# Altium PCB fastcar.PcbDoc (part 4 of 6)
Units mm, origin at the board's own origin, x right, y up, seen from the top; angles counter-clockwise.
Board outline 341.4 x 93 mm, 6 copper layers (Component Side, Signal 1, Signal 2, GND, POWER, Solder Side); 271 components, 375 nets, 1876 pads, 1375 vias.
Unrouted connection lines stored in the file: 4.
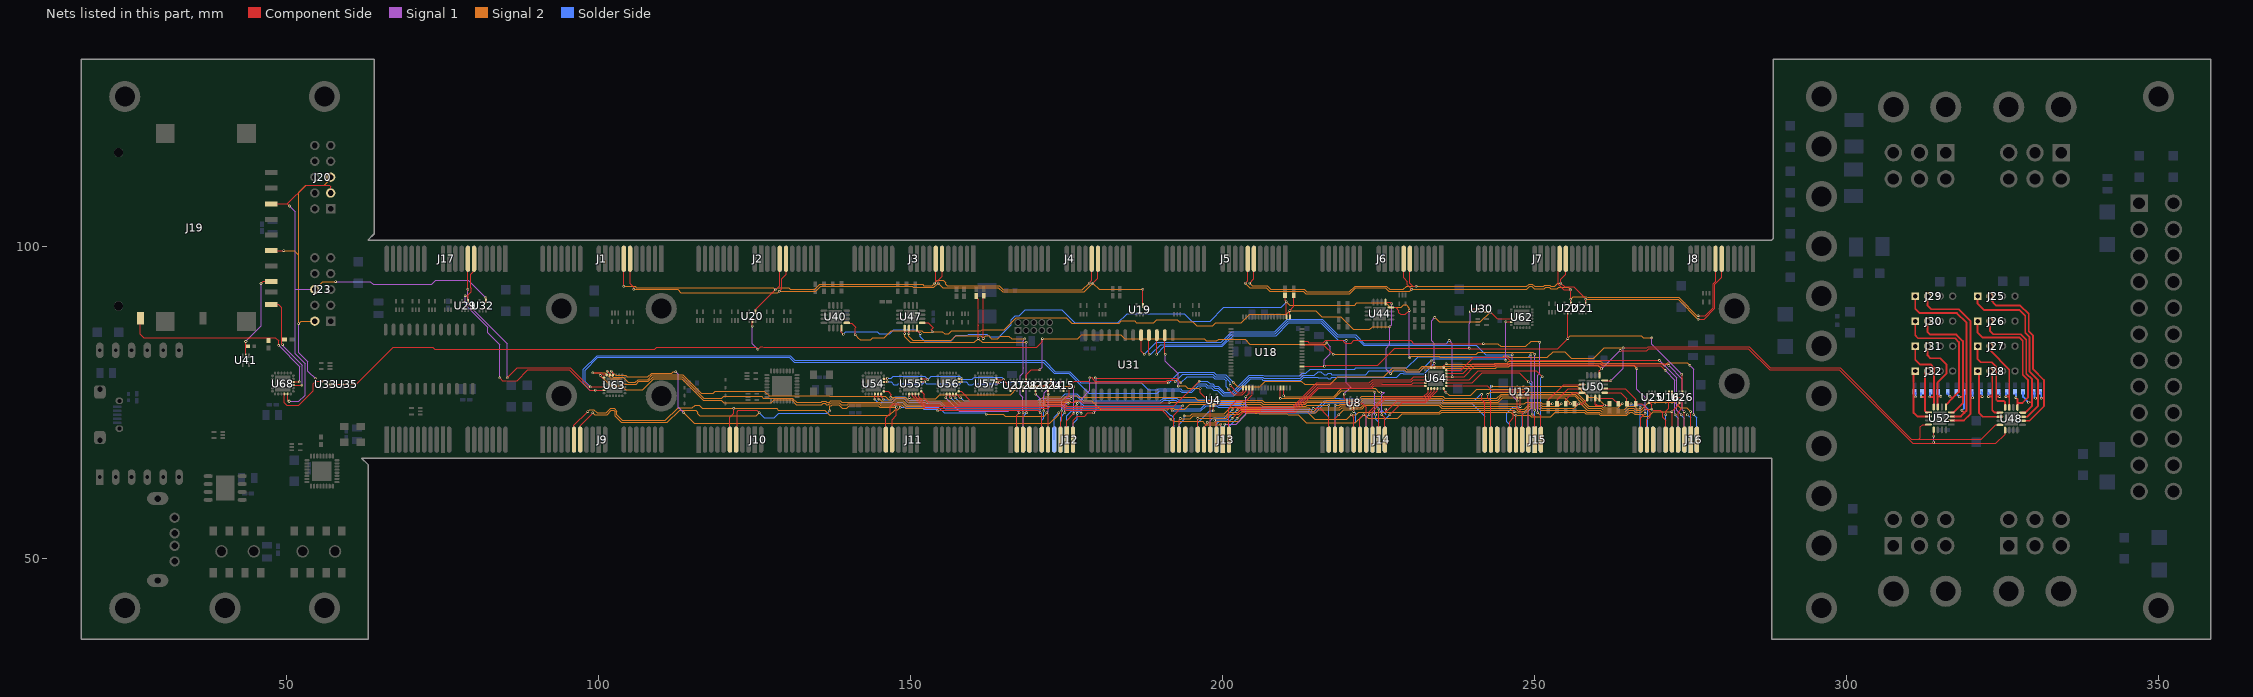
[diagram p8: the nets of this part, all layers, seen from the top]

## Via types
v1: diameter 0.4, hole 0.2, Component Side to Solder Side, 984 vias
v2: diameter 0.6, hole 0.3, Component Side to Solder Side, 212 vias
v3: diameter 0.5, hole 0.2, Component Side to Solder Side, 152 vias
v4: diameter 1, hole 0.5, Component Side to Solder Side, 27 vias

## Nets (pads, with @x,y where several pads share a name; then routed paths per layer and width w, separated by ;. In a path a pad name is that pad's centre, name@x,y a point inside that pad or via, vN(x,y) a via of type N, cw(c..) or ccw(c..) an arc to the next point about the centre after c; other vN are vias at no path point) (continued)
S12GPIO2: J12.B8 U63.4 | length 85.2
  Component Side w0.15: v1(102,80) 102.25,79.75 U63.4@102.25,79.375
  Signal 1 w0.15: v1(112.3,79.9) 112.725,79.475 112.725,74.175 v1(113.6,73.3)
  Signal 2 w0.15: v1(102,80) 102.675,79.325 104.274,79.325 104.524,79.075 107.849,79.075 108.449,79.675 111.675,79.675 111.9,79.9 v1@112.3,79.9 ; v1(113.6,73.3) 115.3,71.6 172.3,71.6 173.7,73 v1(173.7,73.3)
  Solder Side w0.15: J12.B8@173,69 173,72.6 v1(173.7,73.3)
S12GPIO3: J12.A9 U63.5 | length 87
  Component Side w0.15: v1(101.3,80) 101.75,79.55 U63.5@101.75,79.375 ; J12.A9@174,69 174,71.9 174.2,72.1 v1(174.2,73.6)
  Signal 1 w0.15: v1(174.2,73.6) 174.2,75.2 174.6,75.6 ; 174.6,75.6 v1(175.7,75.6)
  Signal 2 w0.15: v1(101.3,80) 101.3,79.996 102.271,79.025 103.874,79.025 104.724,78.175 105.85,78.175 106.3,78.625 107.823,78.625 108.573,79.375 113.475,79.375 116.435,76.415 118.315,76.415 118.675,76.775 126.525,76.775 127.3,76 136.955,76 137.03,75.925 138.799,75.925 140.552,75.925 145.877,75.925 146.427,75.375 146.976,75.375 147.126,75.525 148.95,75.525 149.55,74.925 170.751,74.925 171.401,75.575 175.675,75.575 v1(175.7,75.6)
S12GPIO4: J12.B9 U63.6 | length 89.4
  Component Side w0.15: v1(99,79.7) 99.025,79.725 100.376,79.725 100.726,79.375 U63.6@101.25,79.375
  Signal 1 w0.15: v1(174.7,73.3) 174.7,74.6 174.9,74.8 v1(175.2,74.8)
  Signal 2 w0.15: v1(99,79.7) 99.025,79.725 100.974,79.725 101.974,78.725 103.247,78.725 104.097,77.875 105.974,77.875 106.424,78.325 107.947,78.325 108.697,79.075 113.35,79.075 116.825,75.6 119.7,75.6 120.025,75.925 126.076,75.925 126.327,75.674 131.025,75.674 131.724,74.975 135.65,74.975 135.799,75.125 136.4,75.125 136.55,74.975 136.726,74.975 136.775,75.024 136.982,75.024 137.183,75.225 138.674,75.225 138.924,74.975 139.802,74.975 139.852,75.025 145.049,75.025 145.299,74.775 147.224,74.775 147.375,74.925 148.701,74.925 149.301,74.325 171,74.325 171.65,74.975 175.025,74.975 v1(175.2,74.8)
  Solder Side w0.15: J12.B9@174,69 174,72.6 v1(174.7,73.3)
S12GPIO5: J12.A10 U55.3 | length 37
  Component Side w0.15: v1(149.75,75.75) U55.3@149.75,76.325 ; J12.A10@175,69 175,72.05 v1(176.15,73.199)
  Signal 1 w0.15: v1(176.15,73.199) v1(176.15,77.5)
  Signal 2 w0.15: v1(149.75,75.75) 149.975,75.525 154,75.525 154.675,76.2 166,76.2 167.1,77.3 167.698,77.3 167.824,77.175 168.176,77.175 168.552,77.551 176.099,77.551 v1(176.15,77.5)
S12GPIO6: J12.B10 U18.17 | length 40.6
  Component Side w0.15: v1(178.7,78.9) 178.876,78.9 178.976,79 179.175,78.801 179.175,78.724 179.498,78.4 190.999,78.4 191.124,78.525 192.174,78.525 v1(192.4,78.3) ; v1(201.2,77.7) 202.35,76.55 203.026,76.55 203.25,76.774 U18.17@203.25,77.3
  Signal 1 w0.15: v1(177.3,73.2) 177.3,75.5 178.7,76.9 ; 178.7,76.9 v1(178.7,78.9)
  Solder Side w0.15: J12.B10@175,69 175,72.801 175.824,73.625 176.876,73.625 v1(177.3,73.2) ; v1(192.4,78.3) 193.6,79.5 198.425,79.5 198.825,79.1 200.325,79.1 201.2,78.225 v1(201.2,77.7)
S12GPIO7: J12.A11 U18.18 | length 40.1
  Component Side w0.15: J12.A11@176,69 176,72.1 176.675,72.775 176.876,72.775 177.875,72.775 178.4,73.3 v1(179.3,73.3) ; v1(179.6,78.9) 179.624,78.875 192.525,78.875 v1(193.3,78.1) ; v1(200.9,77.1) 201.8,76.2 203.1,76.2 203.75,76.85 U18.18@203.75,77.3
  Signal 1 w0.15: v1(179.3,73.3) 179.71,73.71 179.71,78.789 v1(179.6,78.9)
  Solder Side w0.15: v1(193.3,78.1) 194.3,79.1 198.401,79.1 198.701,78.8 200.2,78.8 200.525,78.476 200.525,77.475 v1(200.9,77.1)
S12GPIO8: J12.B11 U63.7 | length 88.6
  Component Side w0.15: v1(100.2,79.3) 100.55,78.95 U63.7@100.825,78.95
  Signal 1 w0.15: v1(176.7,73.2) v1(176.7,74.8)
  Signal 2 w0.15: v1(100.2,79.3) 101.875,77.625 103.675,77.625 104.325,76.975 107.021,76.975 108.771,78.725 113.276,78.725 116.701,75.3 119.6,75.3 119.975,74.925 125.584,74.925 125.936,74.925 127.651,74.925 128.1,75.374 130.901,75.374 131.649,74.625 135.724,74.625 135.924,74.825 136.276,74.825 136.476,74.625 136.801,74.625 136.899,74.724 137.106,74.724 137.307,74.925 138.55,74.925 138.85,74.625 139.876,74.625 139.976,74.725 144.925,74.725 145.175,74.475 147.349,74.475 147.499,74.625 148.577,74.625 149.177,74.025 171.124,74.025 171.774,74.675 174.575,74.675 174.875,74.375 176.375,74.375 176.7,74.7 v1(176.7,74.8)
  Solder Side w0.15: J12.B11@176,69 176,71.6 176.7,72.3 v1(176.7,73.2)
S12MISO: J12.B6 U15.2 | length 12.7
  Component Side w0.15: U15.2@174.5,77 v1(174.5,78.252)
  Signal 1 w0.15: v1(171.3,73.6) 171.3,75.999 171.425,76.124 171.425,76.525 173.152,78.252 v1(174.5,78.252)
  Solder Side w0.15: J12.B6@171,69 171,72.1 171.3,72.4 v1(171.3,73.6)
S12RXD: J12.A4
S12SCL: J12.A3 R41.2 U47.10 | length 44.9
  Component Side w0.15: U47.10@149.675,86.875 149.7,86.85 v1(149.7,86) ; v1(161.6,85.2) 161.6,86.5 161.6,91.95 R41.2@161.7,92.05 ; J12.A3@168,69 v1(168,73.3)
  Signal 1 w0.15: v1(168,73.3) 167.975,73.325 167.975,75.824 167.575,76.224 167.575,79.276 168.025,79.726 168.025,80.476 168,80.501 168,84.878 v1(168.264,85.142)
  Signal 2 w0.15: v1(149.7,86) 149.7,85.55 150.349,84.9 156.449,84.9 157.173,85.625 161.175,85.625 v1(161.6,85.2) ; v1@161.6,85.201 162.024,85.625 162.476,85.625 162.625,85.476 ; 162.625,85.475 162.9,85.2 163.9,85.2 164.3,85.6 165.7,85.6 166.158,85.142 v1(168.264,85.142)
S12SDA: J12.B3 R40.2 U47.9 | length 44.5
  Component Side w0.15: v1(149,86) 149.025,86.025 U47.9@149.025,86.875 ; R40.2@160.5,92.03 160.5,91.8 160.8,91.5 160.8,87.3 ; v1(160.8,85.2) 160.8,87.298
  Signal 1 w0.15: v1@168.5,84.499 168.5,73.4 v1(168.6,73.3) ; v1@168.5,84.501 v1(168.5,84.6)
  Signal 2 w0.15: v1(149,86) 149,85.5 149.9,84.6 160.2,84.6 v1(160.8,85.2) 161.425,84.575 163.1,84.575 166.026,84.575 168.475,84.575 v1(168.5,84.6)
  Solder Side w0.15: J12.B3@168,69 168,72.699 168.425,73.124 v1@168.425,73.225
S12SIG: J12.A2 U56.3 | length 18.3
  Component Side w0.15: v1(155.6,75.7) 155.75,75.85 ; v1@155.75,75.7 155.75,75.85 ; U56.3@155.75,76.325 155.75,75.85 ; J12.A2@167,69 167,72.9 v1(167.4,73.3)
  Signal 1 w0.15: v1(155.6,75.7) 157.775,73.525 165.624,73.525 165.824,73.725 166.975,73.725 v1(167.4,73.3)
S12TXD: J12.B4
S13ERR: J13.B2 U54.4 | length 54.4
  Component Side w0.15: v1(144.25,75.5) U54.4@144.25,76.325
  Solder Side w0.15: v1(144.25,75.5) 144.725,75.025 147.05,75.025 147.625,75.6 148.875,75.6 149.45,75.025 152.251,75.025 152.476,74.8 154.673,74.8 155.499,73.974 170.796,73.974 171.147,74.325 174.076,74.325 174.426,73.975 177.278,73.975 177.453,73.8 190.7,73.8 191.175,73.325 191.175,73.3 191.6,72.875 191.726,72.875 192.225,72.376 192.225,71.726 192.175,71.676 192.175,71.324 192.225,71.274 192.225,69.225 J13.B2@192,69
S13GPIO1: J13.A8 U4.1 U31.14 | length 21.6
  Component Side w0.15: U31.14@190.715,85.75 190.715,82.785 v1(190.8,82.7) ; v1(192.9,77.6) v1@192.925,77.625 ; v1(196.4,77.2) 196.4,76.5 198,74.9 U4.1@198,74.6 198,73.398 J13.A8@198,69
  Signal 1 w0.15: v1(190.8,82.7) 190.8,81.6 192.875,79.525 192.875,77.924 192.9,77.899 v1(192.9,77.6)
  Signal 2 w0.15: v1(192.9,77.6) 192.925,77.625 193.976,77.625 194.401,77.2 v1(196.4,77.2)
S13GPIO2: J13.B8 U64.15 | length 40.5
  Component Side w0.15: v1(201.5,73.8) 202,74.3 211.249,74.3 215.049,78.1 222.949,78.1 223.524,78.1 224.024,78.6 230.1,78.6 230.62,79.12 U64.15@232.495,79.12
  Solder Side w0.15: J13.B8@198,69 198,72.05 198.475,72.525 198.876,72.525 200.225,72.525 v1(201.5,73.8)
S13GPIO3: J13.A9 U64.16 | length 39.7
  Component Side w0.15: v1(198.7,72.1) 199,71.8 J13.A9@199,69 ; v1(202.3,73.8) 202.5,74 211.373,74 215.173,77.8 223.073,77.8 223.649,77.8 224.149,78.3 230.224,78.3 230.544,78.62 U64.16@232.495,78.62
  Solder Side w0.15: v1(198.7,72.1) 198.825,72.225 200.724,72.225 201.324,72.825 ; 201.325,72.825 v1(202.3,73.8)
S13GPIO4: J13.B9 U64.17 | length 38.7
  Component Side w0.15: v1(201.5,72.4) 202.801,73.7 211.497,73.7 215.297,77.5 223.197,77.5 223.773,77.5 224.198,77.925 225.525,77.925 225.53,77.92 230.32,77.92 230.52,78.12 U64.17@232.495,78.12
  Solder Side w0.15: J13.B9@199,69 199,71.5 199.425,71.925 201.025,71.925 v1(201.5,72.4)
S13GPIO5: J13.A10 U55.4 | length 54.7
  Component Side w0.15: U55.4@150.25,76.325 150.25,76 152.225,74.025 172.075,74.025 172.075,74.076 172.324,74.325 174.226,74.325 174.825,73.725 190.275,73.725 v1(191.7,72.3) ; v1(199.7,71.5) 199.7,71.1 200,70.8 J13.A10@200,69 J13.A10@200.025,69.025
  Signal 2 w0.15: v1(191.7,72.3) 192.075,71.925 196.776,71.925 197.075,71.626 197.075,71.624 197.324,71.375 199.575,71.375 v1(199.7,71.5)
S13GPIO6: J13.B10 U18.19 | length 11.3
  Component Side w0.15: v1(203.7,75.9) 204.25,76.45 U18.19@204.25,77.3
  Signal 1 w0.15: v1(200.3,71.5) 202.158,71.5 203.7,73.042 v1(203.7,75.9)
  Solder Side w0.15: J13.B10@200,69 200,70.8 200.2,71 200.3,70.9 v1(200.3,71.5)
S13GPIO7: J13.A11 U18.20 | length 10.8
  Component Side w0.15: J13.A11@201,69 201,74.024 202.176,75.2 203.75,75.2 204.75,76.2 U18.20@204.75,77.3
S13GPIO8: J13.B11 U64.18 | length 36.3
  Component Side w0.15: v1(202.3,72.4) 203.3,73.4 211.621,73.4 215.421,77.2 223.321,77.2 223.897,77.2 224.322,77.625 225.401,77.625 225.406,77.62 U64.18@232.495,77.62
  Solder Side w0.15: J13.B11@201,69 201,71.1 v1(202.3,72.4)
S13MISO: J13.B6 U4.2 | length 7.2
  Component Side w0.15: v1(198.5,73.6) 198.45,73.55 198.5,73.5 U4.2@198.5,74.6
  Solder Side w0.15: J13.B6@196,69 196,71.7 197.9,73.6 v1(198.5,73.6)
S13RXD: J13.A4
S13SCL: J13.A3 R44.2 U50.3 | length 73.1
  Component Side w0.15: J13.A3@193,69 193,72.2 v1(193.2,72.4) ; v1(254.25,74.75) R44.2@253.6,74.75 253.6,75.4 255.375,77.175 U50.3@257.575,77.175
  Signal 2 w0.15: v1(193.2,72.4) 193.225,72.375 194.799,72.375 195.249,72.825 200.526,72.825 201.076,73.375 202.476,73.375 202.976,73.875 206.026,73.875 206.126,73.775 213.7,73.775 214.2,73.275 214.9,73.275 215.4,73.775 218.796,73.775 219.121,74.1 220.575,74.1 220.7,74.225 222.201,74.225 222.751,74.775 234.774,74.775 235.224,74.325 247.074,74.325 247.524,73.875 248.326,73.875 249.176,74.725 250.849,74.725 251.249,74.325 253.825,74.325 v1(254.25,74.75)
S13SDA: J13.B3 R43.2 U50.2 | length 72.7
  Component Side w0.15: v1(252.85,74.75) R43.2@252.2,74.75 252.2,75.4 254.625,77.825 U50.2@257.575,77.825
  Signal 2 w0.15: v1(193.8,72.8) 194.8,72.8 195.125,73.125 200.224,73.125 201.324,74.225 206.101,74.225 206.251,74.075 213.824,74.075 214.324,73.575 214.676,73.575 215.176,74.075 218.672,74.075 218.997,74.4 220.45,74.4 220.575,74.525 222.076,74.525 222.626,75.075 234.898,75.075 235.248,74.725 248.326,74.725 248.625,75.024 ; 248.625,75.025 250.973,75.025 251.248,74.75 v1(252.85,74.75)
  Solder Side w0.15: J13.B3@193,69 193,71.501 193.8,72.301 v1(193.8,72.8)
S13SIG: J13.A2 U56.4 | length 45.2
  Component Side w0.15: U56.4@156.25,76.325 156.25,75.85 v1(156.4,75.7) ; J13.A2@192,69 192.125,69.125 192.125,72.925 v1(193.6,74.4)
  Solder Side w0.15: v1(156.4,75.7) 157.5,74.6 170.574,74.6 170.949,74.975 174.775,74.975 ; 174.775,74.976 175.024,75.225 175.376,75.225 175.625,74.976 ; 175.625,74.975 176.274,74.975 176.524,75.225 176.876,75.225 177.701,74.4 v1(193.6,74.4)
S13TXD: J13.B4
S14ERR: J14.B2 U54.5 | length 80.7
  Component Side w0.15: U54.5@144.75,76.325 144.75,75.65 v1(144.9,75.5)
  Signal 2 w0.15: v1(144.9,75.5) 144.999,75.5 145.424,75.075 147.1,75.075 147.25,75.225 148.825,75.225 149.425,74.625 170.875,74.625 171.525,75.275 175.326,75.275 175.601,75 176.299,75 176.524,75.225 178.999,75.225 180.449,73.775 191.175,73.775 191.425,74.025 192.076,74.025 192.201,73.9 193.927,73.9 194.727,74.7 206.05,74.7 206.375,74.375 213.37,74.375 213.495,74.5 v1(217,74.5)
  Solder Side w0.15: J14.B2@217,69 v1(217,74.5)
S14GPIO1: J14.A8 U8.1 U31.15 | length 57.1
  Component Side w0.15: v1(189.4,82.7) 189.445,82.745 U31.15@189.445,85.75 ; v1(219.5,76.3) 219.5,75.65 220.5,74.65 ; U8.1@220.5,74.2 220.5,74.65 ; U8.1@220.56,74.18 220.5,74.24 220.5,74.65 ; J14.A8@223,69 223.025,69.025 223.025,74.195 222.35,74.87 220.72,74.87 220.5,74.65
  Signal 1 w0.15: v1(219.5,76.3) 219.5,76.4 220.5,77.4 219.8,78.1 v1(219.8,84.9)
  Solder Side w0.15: v1(189.4,82.7) 190.65,83.95 199.95,83.95 201.675,85.675 208.549,85.675 210.599,87.725 215.676,87.725 218.501,84.9 v1(219.8,84.9)
S14GPIO2: J14.B8 U64.19 | length 16.1
  Component Side w0.15: v1(223.5,73) 223.5,73.5 225.875,75.875 232.175,75.875 232.92,76.62 U64.19@232.92,77.195
  Solder Side w0.15: J14.B8@223,69 223,72.7 223.1,72.7 223.4,73 v1(223.5,73)
S14GPIO3: J14.A9 U64.20 | length 15.7
  Component Side w0.15: J14.A9@224,69 224,73.501 226.074,75.575 232.299,75.575 233.42,76.696 U64.20@233.42,77.195
S14GPIO4: J14.B9 U64.21 | length 17.7
  Component Side w0.15: v1(226.1,73.9) 226.1,73.375 228,75.275 232.451,75.275 233.92,76.744 U64.21@233.92,77.195
  Solder Side w0.15: J14.B9@224,69 224,73 224.075,73.075 224.075,73.176 224.324,73.425 224.774,73.425 224.824,73.375 225.176,73.375 225.425,73.624 225.425,73.625 225.5,73.7 226.1,73.1 ; 226.1,73.101 v1(226.1,73.9)
S14GPIO5: J14.A10 U55.5 | length 83
  Component Side w0.15: U55.5@150.75,76.325 150.75,75.926 152.351,74.325 171.9,74.325 172.199,74.625 174.35,74.625 174.95,74.025 191.475,74.025 v1(191.9,73.6) ; J14.A10@225,69 v1@225,74 ; v1(225,73.9) v1@225,74
  Solder Side w0.15: v1(191.9,73.6) 196.499,73.6 197.374,74.475 199.026,74.475 199.276,74.225 202.653,74.225 203.603,73.275 214.8,73.275 215.225,73.7 215.225,73.725 216.425,74.925 224.075,74.925 225,74 v1(225,73.9)
S14GPIO6: J14.B10 U18.29 | length 25.3
  Component Side w0.15: v1(209.25,75.6) U18.29@209.25,77.3
  Signal 1 w0.15: v1(224.4,76.6) 224.4,73.1 v1(224.5,73)
  Signal 2 w0.15: v1(209.25,75.6) 217.9,75.6 219.1,76.8 224.199,76.8 v1(224.4,76.6)
  Solder Side w0.15: v1(224.5,73) 224.5,72.3 225,71.8 J14.B10@225,69
S14GPIO7: J14.A11 U18.30 | length 26.2
  Component Side w0.15: v1(209.75,76.05) U18.30@209.75,77.3 ; v1(225.5,73) 226,72.5 J14.A11@226,69
  Signal 1 w0.15: v1(225.3,76.6) 225.85,76.6 225.9,76.55 225.525,76.175 225.525,73.025 v1(225.5,73)
  Signal 2 w0.15: v1(209.75,76.05) 209.9,75.9 217.776,75.9 219.076,77.2 224.424,77.2 225.024,76.6 v1(225.3,76.6)
S14GPIO8: J14.B11 U64.22 | length 13.9
  Component Side w0.15: v1(226.8,73) 228.775,74.975 232.575,74.975 234.42,76.82 U64.22@234.42,77.195
  Solder Side w0.15: J14.B11@226,69 226,72.2 v1(226.8,73)
S14MISO: J14.B6 U8.2 | length 5.5
  Component Side w0.15: v1(221,73.5) 221,74.12 U8.2@221.06,74.18
  Solder Side w0.15: J14.B6@221,69 221,71.6 221.3,71.9 221.3,73.2 v1(221,73.5)
S14RXD: J14.A4
S14SCL: J14.A3 R47.2 U50.5 | length 47
  Component Side w0.15: J14.A3@218,69 218,72.4 v1(218.6,73) ; R47.2@256.4,74.75 v1(257.055,74.75) 257.71,74.75 258.425,75.465 U50.5@258.425,75.675
  Signal 2 w0.15: v1(218.6,73) 218.6,73.001 219.024,73.425 219.025,73.425 219.4,73.8 220.699,73.8 220.824,73.925 222.325,73.925 222.875,74.475 234.649,74.475 235.099,74.025 246.95,74.025 247.4,73.575 248.45,73.575 249.3,74.425 250.724,74.425 251.124,74.025 256.33,74.025 v1(257.055,74.75)
S14SDA: J14.B3 R46.2 U50.4 | length 48.9
  Component Side w0.15: v1(255.75,74.75) R46.2@255,74.75 255,75.4 256.125,76.525 U50.4@257.575,76.525
  Signal 2 w0.15: v1(218,74.5) 218.673,74.5 218.873,74.7 220.326,74.7 220.451,74.825 221.952,74.825 222.502,75.375 235.022,75.375 235.372,75.025 244.202,75.025 244.877,75.7 254.8,75.7 v1(255.75,74.75)
  Solder Side w0.15: J14.B3@218,69 v1(218,74.5)
S14SIG: J14.A2 U56.5 | length 67
  Component Side w0.15: U56.5@156.75,76.325 156.75,76.05 v1(157.1,75.7) ; v1(214.5,74) 215.601,74 216.425,73.176 ; 216.425,73.175 217,72.6 J14.A2@217,69
  Solder Side w0.15: v1(157.1,75.7) 157.9,74.9 170.449,74.9 170.849,75.3 174.3,75.3 175.025,76.025 175.653,76.025 176.5,76.025 177.625,74.9 190.1,74.9 190.55,75.35 192.504,75.35 192.779,75.075 199.275,75.075 199.525,74.825 202.901,74.825 203.851,73.875 214.375,73.875 v1(214.5,74)
S14TXD: J14.B4
S15ERR: J15.B2 U54.6 | length 105
  Component Side w0.15: U54.6@145.25,76.325 145.25,75.85 v1(145.6,75.5)
  Solder Side w0.15: v1(145.6,75.5) 145.725,75.375 146.976,75.375 147.501,75.9 148.999,75.9 149.574,75.325 152.375,75.325 152.6,75.1 154.797,75.1 155.623,74.274 170.672,74.274 171.023,74.625 174.2,74.625 174.55,74.275 177.402,74.275 177.577,74.1 193.299,74.1 193.424,73.975 196.449,73.975 197.249,74.775 199.15,74.775 199.4,74.525 202.777,74.525 203.727,73.575 214.676,73.575 214.925,73.824 214.925,73.849 216.301,75.225 224.199,75.225 224.499,74.925 239.8,74.925 242,72.725 J15.B2@242,69
S15GPIO1: J15.A8 U12.1 U31.16 | length 80.9
  Component Side w0.15: U31.16@188.175,85.75 188.175,82.725 v1(188.2,82.7) ; v1(247.2,75.2) v1@247.21,75.21 ; U12.1@247.21,76.01 v1@247.21,75.21 ; J15.A8@248,69 248.075,69.075 248.075,73.225 247.21,74.09 v1@247.21,75.21
  Signal 1 w0.15: v1(246.4,82.6) 246.4,76 v1(247.2,75.2)
  Solder Side w0.15: v1(188.2,82.7) 188.5,82.7 190.05,84.25 199.826,84.25 201.551,85.975 208.424,85.975 210.474,88.025 215.8,88.025 218.325,85.5 221.176,85.5 222.576,84.1 240.626,84.1 242.126,82.6 v1(246.4,82.6)
S15GPIO2: J15.B8 U64.24 | length 23.1
  Component Side w0.15: U64.24@235.42,77.195 235.42,76.965 v1(235.785,76.6)
  Signal 2 w0.15: v1(235.785,76.6) 236.285,76.1 239.724,76.1 240.724,77.1 v1(249,77.1)
  Solder Side w0.15: J15.B8@248,69 248,73 249,74 v1(249,77.1)
S15GPIO3: J15.A9 U64.1 | length 20.9
  Component Side w0.15: U64.1@235.845,77.62 235.85,77.625 242.395,77.625 243.21,76.81 248.253,76.81 249,76.063 J15.A9@249,69
S15GPIO4: J15.B9 U64.2 | length 24.1
  Component Side w0.15: U64.2@235.845,78.12 240,78.12 241.625,79.745 247.555,79.745 v1(249,78.3)
  Solder Side w0.15: J15.B9@249,69 249,73.576 249.425,74.001 249.425,77.875 v1(249,78.3)
S15GPIO5: J15.A10 U55.6 | length 118.4
  Component Side w0.15: U55.6@151.25,76.325 151.25,75.85 152.475,74.625 171.775,74.625 172.075,74.925 174.474,74.925 175.074,74.325 192.125,74.325 v1(196.2,78.4) ; v1(249.6,73.1) 250,72.7 J15.A10@250,69
  Signal 1 w0.15: v1(249.4,82.6) 249.425,82.575 249.425,78.374 249.6,78.199 v1(249.6,73.1)
  Solder Side w0.15: v1(196.2,78.4) 197.5,78.4 197.975,77.925 198.425,77.925 198.75,77.6 199.295,77.6 200.27,76.625 201.525,76.625 204.225,79.325 206.524,79.325 206.625,79.224 212.35,79.224 212.751,79.625 213.325,79.625 214,80.3 220.799,80.3 220.824,80.325 221.125,80.325 221.3,80.5 229.5,80.5 231.305,82.305 234.72,82.305 234.725,82.3 246.099,82.3 246.224,82.175 248.975,82.175 v1(249.4,82.6)
S15GPIO6: J15.B10 U18.43 | length 51.9
  Component Side w0.15: U18.43@212.7,84.25 216.15,84.25 v1(217.7,82.7)
  Signal 1 w0.15: v1(250,82.7) 250.025,82.675 v1(250.025,73.7)
  Signal 2 w0.15: v1(217.7,82.7) 240.6,82.7 240.925,83.025 249.675,83.025 v1(250,82.7)
  Solder Side w0.15: J15.B10@250,69 250.025,69.025 v1(250.025,73.7)
S15GPIO7: J15.A11 U18.44 | length 55.6
  Component Side w0.15: U18.44@212.7,84.75 213.624,84.75 213.824,84.55 216.149,84.55 216.524,84.925 219.274,84.925 219.375,84.824 219.375,84.724 219.624,84.475 220.576,84.475 221.001,84.9 230.1,84.9 230.6,84.4 v1(241.8,84.4) ; v1(250.5,73.3) 251,72.8 J15.A11@251,69
  Signal 1 w0.15: v1(250.5,73.3) 250.5,79.3 250.8,79.6 250.8,84.56 250.84,84.6 v1(250.8,84.6)
  Signal 2 w0.15: v1(241.8,84.4) 244.103,84.4 244.528,83.975 248.599,83.975 249.434,84.81 250.59,84.81 v1(250.8,84.6)
S15GPIO8: J15.B11 U64.3 | length 26.5
  Component Side w0.15: U64.3@235.845,78.62 239.52,78.62 240.945,80.045 250.255,80.045 v1(251.2,79.1)
  Solder Side w0.15: J15.B11@251,69 251,78.9 v1(251.2,79.1)
S15MISO: J15.B6 U12.2 | length 8.8
  Component Side w0.15: v1(247.7,74.3) 247.71,74.31 U12.2@247.71,76.01
  Solder Side w0.15: J15.B6@246,69 246,71.4 245.525,71.875 245.525,73.225 246.175,73.875 ; 246.175,73.876 246.599,74.3 v1(247.7,74.3)
S15RXD: J15.A4
S15SCL: J15.A3 R50.2 U50.8 | length 34.7
  Component Side w0.15: v1(242.5,76.25) 242.5,75.6 243,75.1 J15.A3@243,69 ; U50.8@260.375,75.675 262.475,75.675 R50.2@263.4,74.75 v1(264.05,74.75)
  Signal 2 w0.15: v1(242.5,76.25) 242.55,76.25 242.9,76.6 256.655,76.6 258.08,75.175 258.08,74.944 258.699,74.325 260.765,74.325 261.015,74.075 263.375,74.075 v1(264.05,74.75)
S15SDA: J15.B3 R49.2 U50.7 | length 33.2
  Component Side w0.15: U50.7@259.725,75.675 259.725,74.565 ; v1(261.2,74.5) 260.06,74.5 259.86,74.7 259.725,74.565 ; R49.2@262,74.55 259.74,74.55 259.725,74.565
  Signal 2 w0.15: v1(243.1,77.6) 256.839,77.6 258.639,75.8 259.9,75.8 v1(261.2,74.5)
  Solder Side w0.15: J15.B3@243,69 243,77.7 v1(243.1,77.6)
S15SIG: J15.A2 U56.6 | length 95
  Component Side w0.15: U56.6@157.25,76.325 157.875,75.7 v1(158,75.7) ; v1(241.5,76.25) 241.5,75.4 242,74.9 J15.A2@242,69
  Solder Side w0.15: v1(158,75.7) 158.499,75.2 170.325,75.2 170.725,75.6 174.051,75.6 174.776,76.325 174.901,76.325 175.778,76.325 176.625,76.325 177.75,75.2 189.976,75.2 190.426,75.65 192.628,75.65 192.903,75.375 199.399,75.375 199.649,75.125 203.025,75.125 203.976,74.175 211.578,74.175 213.003,75.6 218.724,75.6 218.761,75.563 225.112,75.563 225.375,75.3 240.4,75.3 241.35,76.25 v1(241.5,76.25)
S15TXD: J15.B4
S16ERR: J16.B2 U54.7 | length 130.7
  Component Side w0.15: U54.7@145.675,76.75 146.35,76.75 146.9,76.2 146.8,76.1 ; v1(146.8,75.8) 146.8,76.099
  Signal 2 w0.15: v1@146.925,75.825 149.074,75.825 149.674,75.225 170.627,75.225 171.277,75.875 175.374,75.875 175.524,76.025 176.675,76.025 176.9,75.8 195.478,75.8 195.503,75.775 195.526,75.775 196.001,75.3 206.298,75.3 206.624,74.975 213.121,74.975 213.421,75.275 216.652,75.275 216.677,75.3 220.078,75.3 220.203,75.425 221.704,75.425 222.254,75.975 235.271,75.975 235.621,75.625 243.954,75.625 244.629,76.3 256.53,76.3 257.78,75.05 257.78,74.82 258.575,74.025 259.46,74.025 260.64,74.025 260.89,73.775 264.401,73.775 264.951,74.325 266.049,74.325 266.399,73.975 266.775,73.975 266.899,74.099 v1(266.899,74.2)
  Solder Side w0.15: v1(266.899,74.2) 266.899,69.101 J16.B2@267,69
S16GPIO1: J16.A8 U16.1 | length 9.3
  Component Side w0.15: U16.1@272.02,76.52 272.02,76.04 272.24,75.82 273.53,75.82 273.7,75.65 273.7,74.1 273,73.4 J16.A8@273,69
S16GPIO2: J16.B8 U31.17 U64.4 | length 110.4
  Component Side w0.15: U31.17@186.905,85.75 186.905,83.195 v1(187.4,82.7) ; U64.4@235.845,79.12 238.72,79.12 240.425,80.825 270.174,80.825 v1(270.899,80.1)
  Signal 1 w0.15: v1(236.3,84.9) 236.8,84.4 v1(236.8,79.1) ; v1(270.899,80.1) 272.445,78.554 272.445,73.045 272.49,73 v1(272.499,73)